# Altium PCB mainboard.PcbDoc (part 7 of 7)
Units mm, origin at the board's own origin, x right, y up, seen from the top; angles counter-clockwise.
Board outline 298.75 x 332.5 mm, 4 copper layers (Top, Ground, Power, Bottom), stack 0.844 mm thick; 349 components, 403 nets, 3466 pads, 640 vias.
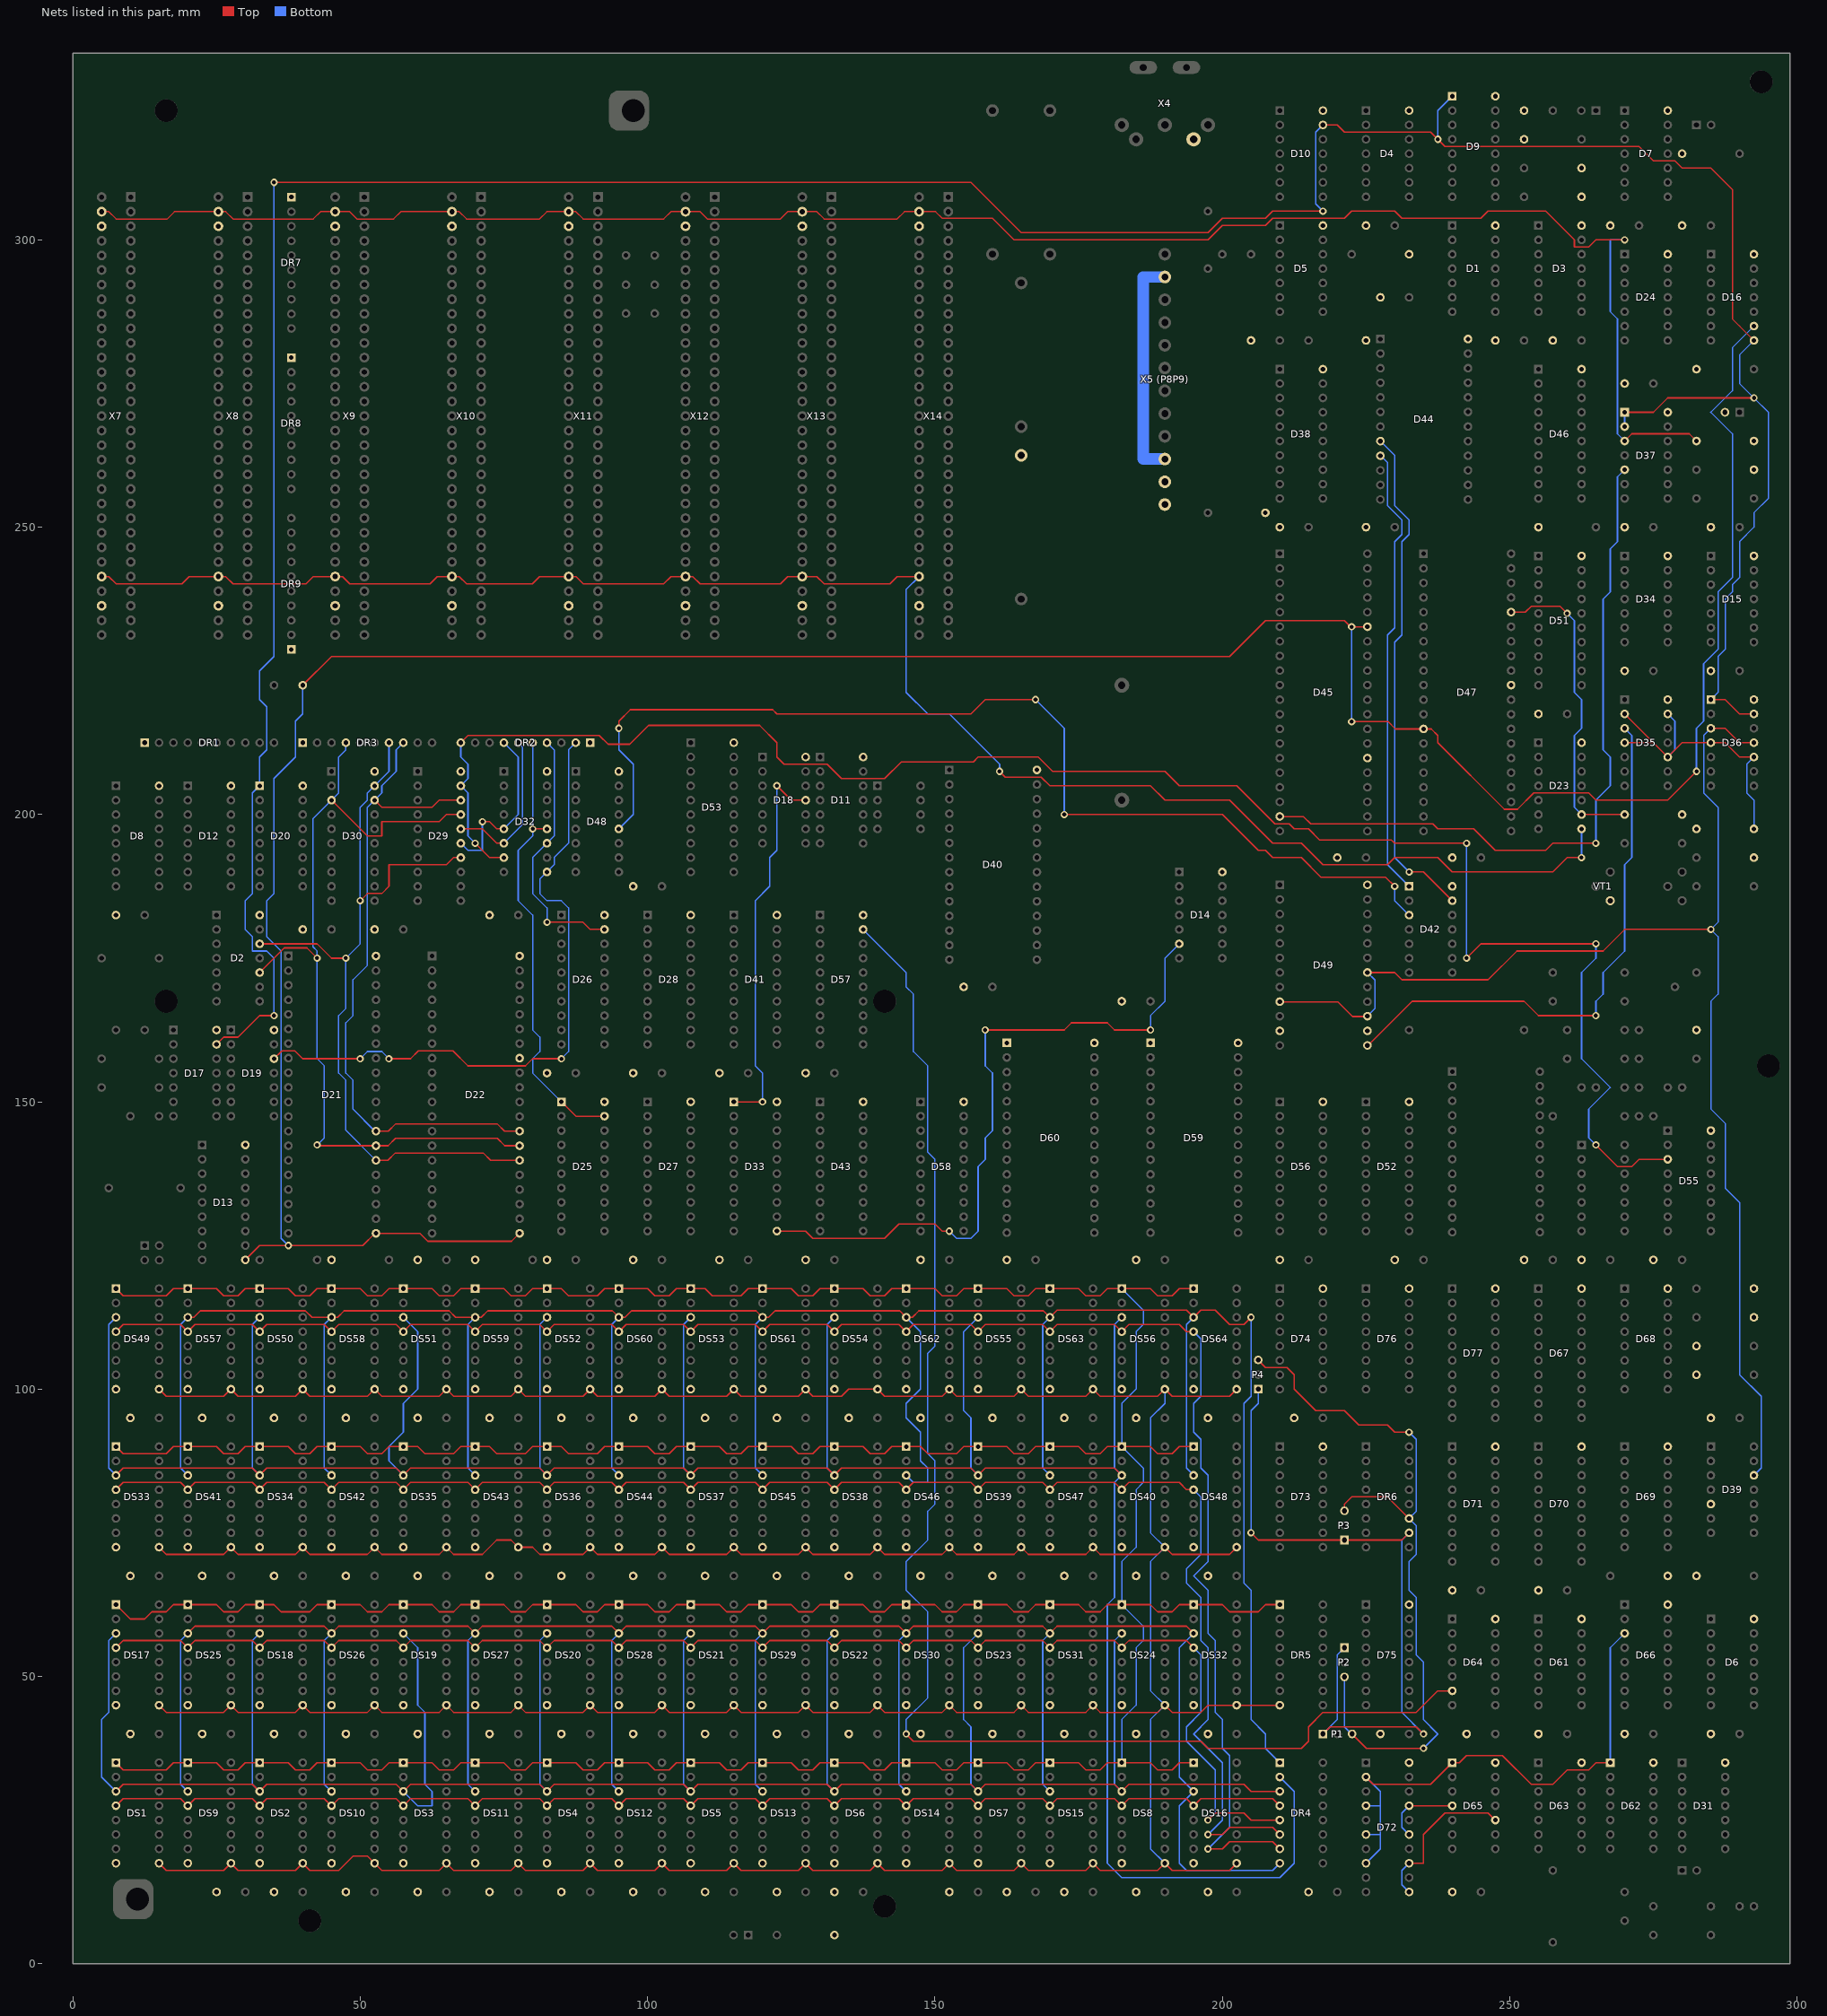
[diagram p9: the nets of this part, all layers, seen from the top]

## Via types
v1: diameter 1.27, hole 0.711, Top to Bottom, tented both sides, 640 vias

## Nets (pads, with @x,y where several pads share a name; then routed paths per layer and width w, separated by ;. In a path a pad name is that pad's centre, name@x,y a point inside that pad or via, vN(x,y) a via of type N, cw(c..) or ccw(c..) an arc to the next point about the centre after c; other vN are vias at no path point) (continued)
RA7: DR5.8 DS1.9 DS2.9 DS3.9 DS4.9 DS5.9 DS6.9 DS7.9 DS8.9 DS9.9 DS10.9 DS11.9 DS12.9 DS13.9 DS14.9 DS15.9 DS16.9 DS17.9 DS18.9 DS19.9 DS20.9 DS21.9 DS22.9 DS23.9 DS24.9 DS25.9 DS26.9 DS27.9 DS28.9 DS29.9 DS30.9 DS31.9 DS32.9 DS33.9 DS34.9 DS35.9 DS36.9 DS37.9 DS38.9 DS39.9 DS40.9 DS41.9 DS42.9 DS43.9 DS44.9 DS45.9 DS46.9 DS47.9 DS48.9 DS49.9 DS50.9 DS51.9 DS52.9 DS53.9 DS54.9 DS55.9 DS56.9 DS57.9 DS58.9 DS59.9 DS60.9 DS61.9 DS62.9 DS63.9 DS64.9 | length 910.4
  Top w0.254: DS1.9@14.998,17.5 16.248,16.25 26.248,16.25 DS9.9@27.498,17.5 28.748,16.25 38.748,16.25 DS2.9@39.998,17.5 41.248,16.25 46.248,16.25 48.748,18.75 51.248,18.75 DS10.9@52.498,17.5 53.748,16.25 63.748,16.25 DS3.9@64.998,17.5 66.248,16.25 76.248,16.25 DS11.9@77.498,17.5 78.748,16.25 88.748,16.25 DS4.9@89.998,17.5 91.248,16.25 101.248,16.25 DS12.9@102.498,17.5 103.748,16.25 113.748,16.25 DS5.9@114.998,17.5 116.248,16.25 126.248,16.25 DS13.9@127.498,17.5 128.748,16.25 138.748,16.25 DS6.9@139.998,17.5 141.248,16.25 151.248,16.25 DS14.9@152.498,17.5 153.748,16.25 163.748,16.25 DS7.9@164.998,17.5 166.248,16.25 176.248,16.25 DS15.9@177.498,17.5 178.748,16.25 188.748,16.25 DS8.9@189.998,17.5 191.248,16.25 201.248,16.25 DS16.9@202.498,17.5 ; DS17.9@14.998,45 16.248,43.75 26.248,43.75 DS25.9@27.498,45 28.748,43.75 38.748,43.75 DS18.9@39.998,45 41.248,43.75 51.248,43.75 DS26.9@52.498,45 53.748,43.75 63.748,43.75 DS19.9@64.998,45 66.248,43.75 76.248,43.75 DS27.9@77.498,45 78.748,43.75 88.748,43.75 DS20.9@89.998,45 91.248,43.75 101.248,43.75 DS28.9@102.498,45 103.748,43.75 113.748,43.75 DS21.9@114.998,45 116.248,43.75 126.248,43.75 DS29.9@127.498,45 128.748,43.75 138.748,43.75 DS22.9@139.998,45 141.248,43.75 151.248,43.75 DS30.9@152.498,45 153.748,43.75 163.748,43.75 DS23.9@164.998,45 166.248,43.75 176.248,43.75 DS31.9@177.498,45 178.748,43.75 188.748,43.75 DS24.9@189.998,45 191.248,43.75 196.248,43.75 197.498,45 DS32.9@202.498,45 DR5.8@209.998,45 ; DS33.9@14.998,72.5 16.248,71.25 26.248,71.25 DS41.9@27.498,72.5 28.748,71.25 38.748,71.25 DS34.9@39.998,72.5 41.248,71.25 51.248,71.25 DS42.9@52.498,72.5 53.748,71.25 63.748,71.25 DS35.9@64.998,72.5 66.248,71.25 71.248,71.25 73.748,73.75 76.248,73.75 DS43.9@77.498,72.5 79.998,72.5 81.248,71.25 88.748,71.25 DS36.9@89.998,72.5 91.248,71.25 101.248,71.25 DS44.9@102.498,72.5 103.748,71.25 113.748,71.25 DS37.9@114.998,72.5 116.248,71.25 126.248,71.25 DS45.9@127.498,72.5 128.748,71.25 138.748,71.25 DS38.9@139.998,72.5 141.248,71.25 151.248,71.25 DS46.9@152.498,72.5 153.748,71.25 163.748,71.25 DS39.9@164.998,72.5 166.248,71.25 176.248,71.25 DS47.9@177.498,72.5 178.748,71.25 188.748,71.25 DS40.9@189.998,72.5 191.248,71.25 201.248,71.25 DS48.9@202.498,72.5 ; DS49.9@14.998,100 16.248,98.75 26.248,98.75 DS57.9@27.498,100 28.748,98.75 38.748,98.75 DS50.9@39.998,100 41.248,98.75 51.248,98.75 DS58.9@52.498,100 53.748,98.75 63.748,98.75 DS51.9@64.998,100 66.248,98.75 76.248,98.75 DS59.9@77.498,100 78.748,98.75 88.748,98.75 DS52.9@89.998,100 91.248,98.75 101.248,98.75 DS60.9@102.498,100 103.748,98.75 113.748,98.75 DS53.9@114.998,100 116.248,98.75 126.248,98.75 DS61.9@127.498,100 128.748,98.75 133.748,98.75 134.998,100 DS54.9@139.998,100 141.248,98.75 151.248,98.75 DS62.9@152.498,100 153.748,98.75 163.748,98.75 DS55.9@164.998,100 166.248,98.75 176.248,98.75 DS63.9@177.498,100 178.748,98.75 188.748,98.75 DS56.9@189.998,100 191.248,98.75 201.248,98.75 DS64.9@202.498,100
  Bottom w0.254: DS8.9@189.998,17.5 187.498,20 187.498,42.5 DS24.9@189.998,45 187.498,47.5 187.498,70 DS40.9@189.998,72.5 187.498,75 187.498,95 189.998,97.5 DS56.9@189.998,100
RA8: DR5.1 DS1.1 DS2.1 DS3.1 DS4.1 DS5.1 DS6.1 DS7.1 DS8.1 DS9.1 DS10.1 DS11.1 DS12.1 DS13.1 DS14.1 DS15.1 DS16.1 DS17.1 DS18.1 DS19.1 DS20.1 DS21.1 DS22.1 DS23.1 DS24.1 DS25.1 DS26.1 DS27.1 DS28.1 DS29.1 DS30.1 DS31.1 DS32.1 DS33.1 DS34.1 DS35.1 DS36.1 DS37.1 DS38.1 DS39.1 DS40.1 DS41.1 DS42.1 DS43.1 DS44.1 DS45.1 DS46.1 DS47.1 DS48.1 DS49.1 DS50.1 DS51.1 DS52.1 DS53.1 DS54.1 DS55.1 DS56.1 DS57.1 DS58.1 DS59.1 DS60.1 DS61.1 DS62.1 DS63.1 DS64.1 | length 921
  Top w0.254: DS1.1@7.498,35 8.748,33.75 16.248,33.75 17.498,35 24.998,35 26.248,33.75 28.748,33.75 29.998,35 37.498,35 38.748,33.75 41.248,33.75 42.498,35 49.998,35 51.248,33.75 53.748,33.75 54.998,35 62.498,35 63.748,33.75 66.248,33.75 67.498,35 74.998,35 76.248,33.75 78.748,33.75 79.998,35 87.498,35 88.748,33.75 91.248,33.75 92.498,35 99.998,35 101.248,33.75 103.748,33.75 104.998,35 112.498,35 113.748,33.75 116.248,33.75 117.498,35 124.998,35 126.248,33.75 128.748,33.75 129.998,35 137.498,35 138.748,33.75 141.248,33.75 142.498,35 149.998,35 151.248,33.75 153.748,33.75 154.998,35 162.498,35 163.748,33.75 166.248,33.75 167.498,35 174.998,35 176.248,33.75 178.748,33.75 179.998,35 187.498,35 188.748,33.75 191.248,33.75 192.498,35 DS16.1@194.998,35 ; DS17.1@7.498,62.5 9.998,60 12.498,60 13.748,61.25 16.248,61.25 17.498,62.5 DS25.1@19.998,62.5 24.998,62.5 26.248,61.25 28.748,61.25 29.998,62.5 DS18.1@32.498,62.5 34.998,62.5 36.248,61.25 41.248,61.25 42.498,62.5 DS26.1@44.998,62.5 49.998,62.5 51.248,61.25 53.748,61.25 54.998,62.5 DS19.1@57.498,62.5 62.498,62.5 63.748,61.25 66.248,61.25 67.498,62.5 DS27.1@69.998,62.5 74.998,62.5 76.248,61.25 78.748,61.25 79.998,62.5 DS20.1@82.498,62.5 87.498,62.5 88.748,61.25 91.248,61.25 92.498,62.5 DS28.1@94.998,62.5 99.998,62.5 101.248,61.25 103.748,61.25 104.998,62.5 DS21.1@107.498,62.5 112.498,62.5 113.748,61.25 116.248,61.25 117.498,62.5 DS29.1@119.998,62.5 124.998,62.5 126.248,61.25 128.748,61.25 129.998,62.5 DS22.1@132.498,62.5 137.498,62.5 138.748,61.25 141.248,61.25 142.498,62.5 DS30.1@144.998,62.5 149.998,62.5 151.248,61.25 153.748,61.25 154.998,62.5 DS23.1@157.498,62.5 162.498,62.5 163.748,61.25 166.248,61.25 167.498,62.5 DS31.1@169.998,62.5 174.998,62.5 176.248,61.25 178.748,61.25 179.998,62.5 DS24.1@182.498,62.5 187.498,62.5 188.748,61.25 191.248,61.25 192.498,62.5 DS32.1@194.998,62.5 199.998,62.5 201.248,61.25 206.248,61.25 207.498,62.5 DR5.1@209.998,62.5 ; DS33.1@7.498,90 8.748,88.75 16.248,88.75 17.498,90 DS41.1@19.998,90 24.998,90 26.248,88.75 28.748,88.75 29.998,90 DS34.1@32.498,90 37.498,90 38.748,88.75 41.248,88.75 42.498,90 DS42.1@44.998,90 49.998,90 51.248,88.75 53.748,88.75 54.998,90 DS35.1@57.498,90 59.998,90 61.248,88.75 66.248,88.75 67.498,90 DS43.1@69.998,90 72.498,90 73.748,88.75 78.748,88.75 79.998,90 DS36.1@82.498,90 84.998,90 86.248,88.75 91.248,88.75 92.498,90 DS44.1@94.998,90 99.998,90 101.248,88.75 103.748,88.75 104.998,90 DS37.1@107.498,90 112.498,90 113.748,88.75 116.248,88.75 117.498,90 DS45.1@119.998,90 124.998,90 126.248,88.75 128.748,88.75 129.998,90 DS38.1@132.498,90 137.498,90 138.748,88.75 141.248,88.75 142.498,90 DS46.1@144.998,90 147.498,90 148.748,88.75 153.748,88.75 154.998,90 DS39.1@157.498,90 162.498,90 163.748,88.75 166.248,88.75 167.498,90 DS47.1@169.998,90 174.998,90 176.248,88.75 178.748,88.75 179.998,90 DS40.1@182.498,90 187.498,90 188.748,88.75 191.248,88.75 192.498,90 DS48.1@194.998,90 ; DS49.1@7.498,117.5 8.748,116.25 16.248,116.25 17.498,117.5 DS57.1@19.998,117.5 24.998,117.5 26.248,116.25 28.748,116.25 29.998,117.5 37.498,117.5 38.748,116.25 41.248,116.25 42.498,117.5 DS58.1@44.998,117.5 49.998,117.5 51.248,116.25 53.748,116.25 54.998,117.5 DS51.1@57.498,117.5 62.498,117.5 63.748,116.25 66.248,116.25 67.498,117.5 DS59.1@69.998,117.5 74.998,117.5 76.248,116.25 78.748,116.25 79.998,117.5 DS52.1@82.498,117.5 84.998,117.5 86.248,116.25 91.248,116.25 92.498,117.5 DS60.1@94.998,117.5 99.998,117.5 101.248,116.25 103.748,116.25 104.998,117.5 DS53.1@107.498,117.5 109.998,117.5 111.248,116.25 116.248,116.25 117.498,117.5 124.998,117.5 126.248,116.25 128.748,116.25 129.998,117.5 DS54.1@132.498,117.5 137.498,117.5 138.748,116.25 141.248,116.25 142.498,117.5 DS62.1@144.998,117.5 149.998,117.5 151.248,116.25 153.748,116.25 154.998,117.5 DS55.1@157.498,117.5 162.498,117.5 163.748,116.25 166.248,116.25 167.498,117.5 DS63.1@169.998,117.5 174.998,117.5 176.248,116.25 178.748,116.25 179.998,117.5 DS56.1@182.498,117.5 187.498,117.5 188.748,116.25 191.248,116.25 192.498,117.5 DS64.1@194.998,117.5
  Bottom w0.254: DS8.1@182.498,35 182.498,42.5 184.998,45 184.998,55 186.248,56.25 186.248,58.75 DS24.1@182.498,62.5 182.498,70 184.998,72.5 184.998,82.5 186.248,83.75 186.248,86.25 DS40.1@182.498,90 182.498,97.5 184.998,100 184.998,110 186.248,111.25 186.248,113.75 DS56.1@182.498,117.5
RA60: DR6.10 P1.1 P2.1 P3.1 P4.1 | length 126.2
  Top w0.254: v1(204.998,75) 206.248,73.75 P3.1@221.25,73.75 ; P1.1@217.498,40 218.748,41.25 233.748,41.25 v1(234.998,40) ; DR6.10@232.498,75 231.248,73.75 P3.1@221.25,73.75 ; P3.1@221.25,73.75 221.248,73.752 P3.1@221.25,73.75
  Bottom w0.254: v1(204.998,75) 204.998,96.25 206.248,97.5 P4.1@206.248,100 ; P1.1@217.498,40 219.998,42.5 219.998,53.75 P2.1@221.248,55 ; DR6.10@232.498,75 231.248,73.75 231.248,43.75 v1(234.998,40)
RA61: DR6.11 P1.3 P2.3 P3.3 P4.3 | length 131.5
  Top w0.254: P4.3@206.248,105 207.498,103.75 211.248,103.75 212.498,102.5 212.498,100 216.248,96.25 221.248,96.25 223.748,93.75 228.748,93.75 229.998,92.5 v1(232.498,92.5) ; P3.3@221.25,78.75 221.25,80.002 222.498,81.25 228.748,81.25 DR6.11@232.498,77.5 ; P1.3@222.578,40 225.078,37.5 v1(234.998,37.5)
  Bottom w0.254: P2.3@221.248,49.92 221.248,41.25 P1.3@222.498,40 ; v1(232.498,92.5) 233.748,91.25 233.748,78.75 DR6.11@232.498,77.5 233.748,76.25 233.748,71.25 232.498,70 232.498,65 233.748,63.75 233.748,53.75 234.998,52.5 234.998,42.5 237.498,40 v1(234.998,37.5)
RAS: D62.1 D65.1 D66.3 D72.2 D72.4 D72.6 D72.8 | length 94.3
  Top w0.254: D72.2@224.998,32.5 226.248,31.25 236.248,31.25 D65.1@239.998,35 241.25,35 242.5,36.25 248.75,36.25 253.75,31.25 257.5,31.25 260,33.75 263.75,33.75 265,35 D62.1@267.498,35
  Bottom w0.254: D72.8@224.998,17.5 227.498,20 227.498,22.5 ; D72.6@224.998,22.5 227.498,22.5 ; D72.4@224.998,27.5 227.498,27.5 ; D72.2@224.998,32.5 227.498,30 227.498,27.5 ; D62.1@267.5,35.002 267.5,55 D66.3@269.998,57.5 D66.3@269.998,57.5 ; 227.498,22.5 227.498,27.5
RAS0/: DR4.4 DS1.4 DS2.4 DS3.4 DS4.4 DS5.4 DS6.4 DS7.4 DS8.4 DS9.4 DS10.4 DS11.4 DS12.4 DS13.4 DS14.4 DS15.4 DS16.4 | length 219.1
  Top w0.254: DS1.4@7.498,27.5 8.748,28.75 18.748,28.75 DS9.4@19.998,27.5 21.248,28.75 31.248,28.75 DS2.4@32.498,27.5 33.748,28.75 43.748,28.75 DS10.4@44.998,27.5 46.248,28.75 56.248,28.75 DS3.4@57.498,27.5 58.748,28.75 68.748,28.75 DS11.4@69.998,27.5 71.248,28.75 81.248,28.75 DS4.4@82.498,27.5 83.748,28.75 93.748,28.75 DS12.4@94.998,27.5 96.248,28.75 106.248,28.75 DS5.4@107.498,27.5 108.748,28.75 118.748,28.75 DS13.4@119.998,27.5 121.248,28.75 131.248,28.75 DS6.4@132.498,27.5 133.748,28.75 143.748,28.75 DS14.4@144.998,27.5 146.248,28.75 156.248,28.75 DS7.4@157.498,27.5 158.748,28.75 168.748,28.75 DS15.4@169.998,27.5 171.248,28.75 181.248,28.75 DS8.4@182.498,27.5 183.748,28.75 193.748,28.75 DS16.4@194.998,27.5 196.248,28.75 208.748,28.75 DR4.4@209.998,27.5
RAS1/: DR4.5 DS17.4 DS18.4 DS19.4 DS20.4 DS21.4 DS22.4 DS23.4 DS24.4 DS25.4 DS26.4 DS27.4 DS28.4 DS29.4 DS30.4 DS31.4 DS32.4 | length 250.7
  Top w0.254: DS17.4@7.498,55 8.748,56.25 18.748,56.25 DS25.4@19.998,55 21.248,56.25 31.248,56.25 DS18.4@32.498,55 33.748,56.25 43.748,56.25 DS26.4@44.998,55 46.248,56.25 56.248,56.25 DS19.4@57.498,55 58.748,56.25 68.748,56.25 DS27.4@69.998,55 71.248,56.25 81.248,56.25 DS20.4@82.498,55 83.748,56.25 93.748,56.25 DS28.4@94.998,55 96.248,56.25 106.248,56.25 DS21.4@107.498,55 108.748,56.25 118.748,56.25 DS29.4@119.998,55 121.248,56.25 131.248,56.25 DS22.4@132.498,55 133.748,56.25 143.748,56.25 DS30.4@144.998,55 146.248,56.25 156.248,56.25 DS23.4@157.498,55 158.748,56.25 168.748,56.25 DS31.4@169.998,55 171.248,56.25 181.248,56.25 DS24.4@182.498,55 183.748,56.25 193.748,56.25 DS32.4@194.998,55 ; v1(197.498,25) 198.748,26.25 203.748,26.25 204.998,25 DR4.5@209.998,25
  Bottom w0.254: DS32.4@194.998,55 196.248,53.75 196.248,43.75 193.748,41.25 193.748,38.75 198.748,33.75 198.748,26.25 v1(197.498,25)
RAS2/: DR4.6 DS33.4 DS34.4 DS35.4 DS36.4 DS37.4 DS38.4 DS39.4 DS40.4 DS41.4 DS42.4 DS43.4 DS44.4 DS45.4 DS46.4 DS47.4 DS48.4 | length 283.8
  Top w0.254: DS33.4@7.498,82.5 8.748,83.75 18.748,83.75 DS41.4@19.998,82.5 21.248,83.75 31.248,83.75 DS34.4@32.498,82.5 33.748,83.75 43.748,83.75 DS42.4@44.998,82.5 46.248,83.75 56.248,83.75 DS35.4@57.498,82.5 58.748,83.75 68.748,83.75 DS43.4@69.998,82.5 71.248,83.75 81.248,83.75 DS36.4@82.498,82.5 83.748,83.75 93.748,83.75 DS44.4@94.998,82.5 96.248,83.75 106.248,83.75 DS37.4@107.498,82.5 108.748,83.75 118.748,83.75 DS45.4@119.998,82.5 121.248,83.75 131.248,83.75 DS38.4@132.498,82.5 133.748,83.75 143.748,83.75 DS46.4@144.998,82.5 146.248,83.75 156.248,83.75 DS39.4@157.498,82.5 158.748,83.75 168.748,83.75 DS47.4@169.998,82.5 171.248,83.75 181.248,83.75 DS40.4@182.498,82.5 183.748,83.75 192.498,83.75 193.748,82.5 DS48.4@194.998,82.5 ; v1(197.498,22.5) 199.998,22.5 201.248,23.75 208.748,23.75 DR4.6@209.998,22.5
  Bottom w0.254: DS48.4@194.998,82.5 196.248,81.25 196.248,71.25 193.748,68.75 193.748,66.25 196.248,63.75 196.248,56.25 197.498,55 197.498,42.5 194.998,40 199.998,35 199.998,25 v1(197.498,22.5)
RAS3/: DR4.7 DS49.4 DS50.4 DS51.4 DS52.4 DS53.4 DS54.4 DS55.4 DS56.4 DS57.4 DS58.4 DS59.4 DS60.4 DS61.4 DS62.4 DS63.4 DS64.4 | length 313.8
  Top w0.254: DS49.4@7.498,110 8.748,111.25 18.748,111.25 DS57.4@19.998,110 21.248,111.25 31.248,111.25 DS50.4@32.498,110 33.748,111.25 43.748,111.25 DS58.4@44.998,110 46.248,111.25 56.248,111.25 DS51.4@57.498,110 58.748,111.25 68.748,111.25 DS59.4@69.998,110 71.248,111.25 81.248,111.25 DS52.4@82.498,110 83.748,111.25 93.748,111.25 DS60.4@94.998,110 96.248,111.25 106.248,111.25 DS53.4@107.498,110 108.748,111.25 118.748,111.25 DS61.4@119.998,110 121.248,111.25 131.248,111.25 DS54.4@132.498,110 133.748,111.25 143.748,111.25 DS62.4@144.998,110 146.248,111.25 156.248,111.25 DS55.4@157.498,110 158.748,111.25 168.748,111.25 DS63.4@169.998,110 171.248,111.25 181.248,111.25 DS56.4@182.498,110 183.748,111.25 192.498,111.25 193.748,110 DS64.4@194.998,110 ; v1(197.498,20) 199.998,20 201.248,21.25 208.748,21.25 DR4.7@209.998,20
  Bottom w0.254: DS64.4@194.998,110 196.248,108.75 196.248,98.75 194.998,97.5 194.998,92.5 196.248,91.25 196.248,86.25 197.498,85 197.498,70 194.998,67.5 197.498,65 197.498,57.5 198.748,56.25 198.748,43.75 199.998,42.5 199.998,37.5 201.248,36.25 201.248,23.75 v1(197.498,20)
REFR: D35.3 D49.13 | length 97.4
  Top w0.254: D49.13@224.998,160 225.232,159.766 225.298,159.766 233.032,167.5 252.498,167.5 254.998,165 v1(264.998,165)
  Bottom w0.254: v1(264.998,165) 264.998,167.5 266.248,168.75 266.248,172.5 269.998,176.25 269.998,191.25 271.248,192.5 271.248,213.75 D35.3@269.998,215
RES/: D9.1 D10.13 D16.8 D17.13 D20.1 D36.1 D36.13 D37.1 D37.2 | length 584
  Top w0.254: D17.13@24.998,160 26.248,161.25 28.748,161.25 32.498,165 v1(34.998,165) ; v1(35,310) 156.248,310 164.998,301.25 197.498,301.25 199.998,303.75 207.498,303.75 208.748,305 v1(217.498,305) ; D10.13@217.498,320 219.998,320 221.248,318.75 236.248,318.75 v1(237.498,317.5) 238.748,316.25 272.5,316.25 275,313.75 278.75,313.75 280,312.5 285,312.5 288.75,308.75 288.75,286.25 290,285 290,284.998 D16.8@292.498,282.5 ; D37.1@269.998,270 274.998,270 277.498,272.5 v1(292.498,272.5) ; D36.1@284.998,220 287.498,220 289.998,217.5 D36.13@292.498,217.5
  Bottom w0.254: v1(34.998,165) 34.998,175 33.748,176.25 31.248,176.25 31.248,178.75 29.998,180 29.998,185 31.248,186.25 31.248,203.75 D20.1@32.498,205 32.498,210 33.748,211.25 33.748,218.75 32.498,220 32.498,225 35,227.502 v1(35,310) ; v1(217.498,305) 216.248,306.25 216.248,318.75 D10.13@217.498,320 ; v1(237.498,317.5) 237.498,322.5 D9.1@239.998,325 ; D37.2@269.998,267.5 D37.1@269.998,270 ; D36.1@284.998,220 286.248,221.25 286.248,227.5 287.498,228.75 287.498,237.5 288.748,238.75 288.748,240 289.998,241.25 289.998,247.5 292.498,250 292.498,252.5 294.998,255 294.998,270 v1(292.498,272.5) 289.998,275 289.998,280 D16.8@292.498,282.5
RESET: C134.1 D13.10 D16.9 D21.21 D22.21 D45.35 D47.13 | length 515
  Top w0.254: D13.10@29.998,122.5 32.498,125 50.451,125 52.578,127.127 60.371,127.127 61.768,125.73 76.327,125.73 77.498,126.901 D22.21@77.498,127.5 ; C134.1@39.998,222.5 44.998,227.5 201.248,227.5 207.498,233.75 221.25,233.75 222.336,232.664 224.834,232.664 D45.35@224.998,232.5 ; v1(222.504,216.154) 228.846,216.154 230.116,214.884 236.366,214.884 237.5,213.75 237.5,212.5 249.086,200.914 251.333,200.914 254.169,203.75 263.748,203.75 264.998,202.5 277.498,202.5 v1(282.498,207.5)
  Bottom w0.254: v1(37.498,125) 36.248,126.25 36.248,176.25 33.748,178.75 33.748,185 34.998,186.25 34.998,206.25 38.748,210 38.748,216.25 39.998,217.5 C134.1@39.998,222.5 ; v1(222.504,216.154) v1(222.504,232.664) ; v1(282.498,207.5) 282.498,215 283.748,216.25 283.748,226.25 286.248,228.75 286.248,238.75 288.748,241.25 288.748,266.25 284.998,270 288.748,273.75 288.748,281.25 D16.9@292.498,285
"RESET DRV": D37.3 R17.1 X7.33 X8.33 X9.33 X10.33 X11.33 X12.33 X13.33 X14.33 | length 333.4
  Top w0.254: X7.33@4.998,304.91 6.261,304.91 7.535,303.635 16.425,303.635 17.7,304.91 X8.33@25.318,304.91 26.581,304.91 27.855,303.635 41.825,303.635 43.1,304.91 X9.33@45.638,304.91 45.643,304.905 48.175,304.905 49.445,303.635 55.795,303.635 57.07,304.91 X10.33@65.958,304.91 65.963,304.905 67.225,304.905 68.495,303.635 81.195,303.635 82.47,304.91 X11.33@86.278,304.91 87.541,304.91 88.815,303.635 102.785,303.635 104.055,304.905 109.135,304.905 110.405,303.635 123.105,303.635 124.375,304.905 129.455,304.905 130.725,303.635 143.425,303.635 144.7,304.91 X14.33@147.238,304.91 147.243,304.905 150.095,304.905 151.25,303.75 159.998,303.75 163.748,300 197.498,300 199.998,302.5 207.498,302.5 208.748,303.75 221.248,303.75 222.498,305 229.998,305 231.248,303.75 245,303.75 246.25,305 256.25,305 261.248,300.002 261.248,298.75 263.748,298.75 264.998,300 v1(269.998,300) ; D37.3@269.998,265 271.248,266.25 281.248,266.25 R17.1@282.498,265
  Bottom w0.254: D37.3@269.998,265 268.748,266.25 268.748,286.25 267.498,287.5 267.498,300 v1(269.998,300)
RGEN/: D18.11 D33.1 | length 68.1
  Top w0.254: D33.1@114.998,150 v1(120,150) ; v1(122.5,205) 125,202.5 D18.11@127.498,202.5
  Bottom w0.254: v1(120,150) 120,155 118.75,156.25 118.75,185 121.25,187.5 121.25,192.5 122.5,193.75 v1(122.5,205)
RGLSTB: D14.6 D33.11 | length 121.5
  Top w0.254: D33.11@122.498,127.5 127.5,127.5 128.75,126.25 141.25,126.25 143.75,128.75 150,128.75 151.25,127.5 v1(152.5,127.5) ; v1(158.748,162.5) 172.498,162.5 173.748,163.75 179.998,163.75 181.248,162.5 v1(187.498,162.5)
  Bottom w0.254: v1(152.5,127.5) 153.75,126.25 156.25,126.25 157.5,127.5 157.5,138.75 158.75,140 158.75,143.75 160,145 160,155 158.748,156.252 v1(158.748,162.5) ; v1(187.498,162.5) 187.498,165 189.998,167.5 189.998,175 D14.6@192.498,177.5
RR14: D35.2 D35.4 D35.10 D35.13 D36.4 D36.10 R14.2 | length 54.7
  Top w0.254: D35.4@269.998,212.5 274.998,212.5 ; D35.2@269.998,217.5 274.998,212.5 ; D36.10@292.498,210 289.998,210 287.498,212.5 D36.4@284.998,212.5 279.998,212.5 D35.10@277.498,210 274.998,212.5
  Bottom w0.254: D35.10@277.498,210 278.748,211.25 278.748,216.25 D35.13@277.498,217.5 ; R14.2@292.498,197.5 292.498,202.5 291.248,203.75 291.248,208.75 D36.10@292.498,210
RS0/: D29.15 D32.5 DR2.7 | length 30.6
  Top w0.254: v1(71.248,198.75) 72.498,198.75 73.748,197.5 D32.5@74.998,197.5
  Bottom w0.254: D29.15@67.498,195 68.748,193.75 71.248,193.75 v1(71.248,198.75) ; D32.5@74.998,197.5 77.498,200 77.498,210 DR2.7@74.998,212.5
RS1/: D29.16 D32.6 DR2.6 | length 27.7
  Top w0.254: D29.16@67.498,197.5 71.248,197.5 73.748,195 D32.6@74.998,195
  Bottom w0.254: D32.6@74.998,195 78.24,198.242 78.24,211.758 DR2.6@77.498,212.5
RS2/: D29.19 D32.7 D55.3 DR2.10 | length 314.5
  Top w0.254: DR2.10@67.498,212.5 68.75,213.75 91.595,213.75 93.119,212.226 96.881,212.226 100.163,215.508 119.492,215.508 122.5,212.5 122.5,210 123.75,208.75 131.25,208.75 133.75,206.25 141.25,206.25 144.169,209.169 156.669,209.169 157.5,210 167.952,210 170.452,207.5 190,207.5 192.5,205 202.5,205 209.126,198.374 211.626,198.374 212.5,197.5 215,197.5 216.92,195.58 229.42,195.58 230,195 v1(242.5,195) ; v1(69.998,195) 72.498,192.5 D32.7@74.998,192.5 ; v1(242.5,175) 245,177.5 v1(265,177.5) ; v1(265,142.5) 268.75,138.75 271.25,138.75 272.5,140 D55.3@277.498,140
  Bottom w0.254: DR2.10@67.498,212.5 67.498,210 68.748,208.75 68.748,206.25 D29.19@67.498,205 68.748,203.75 68.748,196.25 v1(69.998,195) ; v1(242.5,175) v1(242.5,195) ; v1(265,142.5) 263.75,143.75 263.75,148.75 267.5,152.5 262.5,157.5 262.5,172.5 265,175 v1(265,177.5)
RTCS/: D42.13 D44.8 | length 88.7
  Top w0.254: v1(232.5,190) 235,190 D42.13@239.998,185.002
  Bottom w0.254: D44.8@227.498,265 229.998,262.5 229.998,253.752 232.5,251.25 232.5,248.75 231.25,247.5 231.25,231.25 230,230 230,192.5 v1(232.5,190)
S0/: D2.12 D21.26 D22.26 D29.14 D30.19 DR3.7 | length 143.7
  Top w0.254: D2.12@32.498,177.5 42.5,177.5 45,175 v1(47.498,175) ; v1(49.998,185) 50,185 51.25,186.25 53.75,186.25 55,187.5 55,191.25 65,191.25 66.25,192.5 D29.14@67.498,192.5 ; D21.26@52.498,140 52.671,139.827 54.825,139.827 56.095,141.097 71.401,141.097 72.671,139.827 77.325,139.827 D22.26@77.498,140
  Bottom w0.254: D21.26@52.498,140 52.498,140.034 47.498,145.034 47.498,153.75 46.248,155 46.248,165 47.498,166.25 v1(47.498,175) 49.998,177.5 v1(49.998,185) 49.998,201.25 51.248,202.5 51.248,203.75 D30.19@52.498,205 54.998,207.5 DR3.7@54.998,212.5
S1/: D2.10 D21.27 D22.27 D29.17 D30.3 DR3.4 | length 150.5
  Top w0.254: D2.10@32.498,172.5 32.5,172.5 36.784,176.784 40.716,176.784 v1(42.5,175) ; v1(42.5,142.5) 42.633,142.367 54.865,142.367 56.135,143.637 73.861,143.637 75.131,142.367 77.365,142.367 D22.27@77.498,142.5 ; D30.3@44.998,202.5 51.248,196.25 53.75,196.25 53.75,198.75 63.75,198.75 65,200 D29.17@67.498,200
  Bottom w0.254: v1(42.5,142.5) 43.75,143.75 43.75,156.25 42.5,157.5 v1(42.5,175) 42.5,176.25 41.756,176.994 41.756,199.258 D30.3@44.998,202.5 46.248,203.75 46.248,210 47.498,211.25 DR3.4@47.498,212.5
S2/: D21.28 D22.28 D29.18 D30.18 DR3.8 | length 115.9
  Top w0.254: D21.28@52.498,145 52.591,144.907 54.905,144.907 56.175,146.177 73.821,146.177 75.091,144.907 77.405,144.907 D22.28@77.498,145 ; D30.18@52.498,202.5 52.5,202.5 53.75,201.25 62.5,201.25 63.75,202.5 D29.18@67.498,202.5
  Bottom w0.254: D21.28@52.498,145 52.485,145 48.748,148.737 48.748,153.75 47.498,155 47.498,163.75 48.748,165 48.748,171.25 51.248,173.75 51.248,201.25 D30.18@52.498,202.5 53.749,203.751 53.749,204.999 56.248,207.498 56.248,211.25 DR3.8@57.498,212.5
SEGS/: D42.1 D44.9 | length 79.1
  Bottom w0.254: D44.9@227.498,262.5 228.748,261.25 228.75,261.25 228.75,253.75 231.25,251.25 231.25,248.75 230,247.5 230,232.5 228.75,231.25 228.75,191.248 D42.1@232.498,187.5
SEGW/: D42.3 D48.12 | length 186.3
  Top w0.254: v1(94.998,215) 94.998,216.25 96.99,218.242 121.756,218.242 122.498,217.5 156.248,217.5 158.748,220 v1(167.498,220) ; v1(172.498,200) 200,200 206.25,193.75 207.5,193.75 208.75,192.5 213.75,192.5 217.147,189.103 228.397,189.103 v1(230,187.5)
  Bottom w0.254: D48.12@94.998,197.5 97.498,200 97.498,208.75 94.998,211.25 v1(94.998,215) ; v1(167.498,220) 172.498,215 v1(172.498,200) ; v1(230,187.5) 230,184.998 D42.3@232.498,182.5
SELH/: D26.19 D32.11 DR2.4 | length 44.9
  Top w0.254: v1(82.498,181.25) 88.75,181.25 90,180 D26.19@92.498,180
  Bottom w0.254: v1(82.498,181.25) 82.498,183.75 79.998,186.25 79.998,192.5 D32.11@82.498,195 83.748,196.25 83.748,211.25 DR2.4@82.498,212.5
SELL/: D25.1 D25.19 D32.12 DR2.5 | length 78.7
  Top w0.254: v1(79.998,197.5) D32.12@82.498,197.5 ; D25.1@84.998,150 85,150 87.5,147.5 D25.19@92.498,147.5
  Bottom w0.254: DR2.5@79.998,212.5 v1(79.998,197.5) 79.998,196.25 77.498,193.75 77.498,185 79.998,182.5 79.998,162.5 81.248,161.25 81.248,158.75 79.998,157.5 79.998,155 D25.1@84.998,150
SEN: D37.5 D45.19 | length 126.2
  Top w0.254: D45.19@209.998,200 210.354,199.644 214.106,199.644 215.376,198.374 236.624,198.374 237.498,197.5 243.748,197.5 247.498,193.75 256.248,193.75 257.498,195 v1(264.998,195)
  Bottom w0.254: v1(264.998,195) 264.998,202.5 267.498,205 267.498,210 266.248,211.25 266.248,237.5 267.498,238.75 267.498,246.25 268.748,247.5 268.748,258.75 D37.5@269.998,260
SWEN/: D57.19 D64.6 | length 253
  Top w0.254: v1(144.998,40) 146.248,38.75 196.248,38.75 197.498,37.5 213.748,37.5 214.998,38.75 214.998,41.25 217.498,43.75 233.748,43.75 237.498,47.5 D64.6@239.998,47.5
  Bottom w0.254: D57.19@137.498,180 144.999,172.499 144.999,170.001 146.25,168.75 146.25,158.75 148.748,156.252 148.748,141.25 149.998,140 149.998,107.5 148.748,106.25 148.748,88.75 149.998,87.5 149.998,80 148.748,78.75 148.748,73.75 144.998,70 144.998,65 148.748,61.25 148.748,46.25 144.998,42.5 v1(144.998,40)
T/C: D23.8 X7.58 X8.58 X9.58 X10.58 X11.58 X12.58 X13.58 X14.58 | length 308.9
  Top w0.254: X7.58@4.998,241.41 6.261,241.41 7.535,240.135 18.965,240.135 20.235,241.405 26.585,241.405 27.855,240.135 40.555,240.135 41.825,241.405 46.905,241.405 48.175,240.135 62.145,240.135 63.415,241.405 67.225,241.405 68.495,240.135 79.925,240.135 81.195,241.405 87.545,241.405 88.815,240.135 102.785,240.135 104.055,241.405 107.865,241.405 109.135,240.135 123.105,240.135 124.375,241.405 129.455,241.405 130.725,240.135 142.155,240.135 143.43,241.41 X14.58@147.238,241.41 ; v1(161.248,207.5) 162.246,206.502 168.496,206.502 169.998,205 187.498,205 189.998,202.5 201.248,202.5 208.748,195 213.748,195 217.498,191.25 228.748,191.25 229.998,192.5 237.498,192.5 239.998,190 257.498,190 259.998,192.5 v1(262.498,192.5)
  Bottom w0.254: X14.58@147.238,241.41 145,239.172 145,221.248 148.748,217.5 152.498,217.5 161.248,208.75 v1(161.248,207.5) ; v1(262.498,192.5) D23.8@262.498,197.5
TC/: D23.9 D47.36 R25.1 | length 55.6
  Top w0.254: D47.36@249.998,235 250.202,235.204 252.704,235.204 253.75,236.25 258.748,236.25 v1(259.998,235) ; D23.9@262.498,200 R25.1@269.998,200
  Bottom w0.254: v1(259.998,235) 261.248,233.75 261.248,221.25 262.498,220 262.498,215 261.248,213.75 261.248,201.25 D23.9@262.498,200
TIMCLK: D36.3 D36.11 D39.12 D49.9 D49.15 D49.18 | length 235.2
  Top w0.254: D49.9@209.998,167.5 210.112,167.386 220.114,167.386 222.654,164.846 224.844,164.846 D49.15@224.998,165 ; D49.18@224.998,172.5 230,172.5 231.25,171.25 246.25,171.25 251.25,176.25 266.25,176.25 270,180 v1(285,180) ; D36.3@284.998,215 287.498,215 289.998,212.5 D36.11@292.498,212.5
  Bottom w0.254: D49.15@224.998,165 225.325,165 226.568,166.243 226.568,171.196 225.264,172.5 D49.18@224.998,172.5 ; D36.3@284.998,215 283.75,213.752 283.75,203.75 286.25,201.25 286.25,181.25 v1(285,180) 286.25,178.75 286.25,168.75 285,167.5 285,148.75 287.5,146.25 287.5,135 290,132.5 290,102.5 293.75,98.75 293.75,86.25 292.5,85 D39.12@292.498,85
TWOB/: D19.12 D32.9 DR2.2 | length 116
  Top w0.254: D19.12@35,157.5 36.377,158.877 38.623,158.877 40,157.5 v1(50,157.5) ; v1(55,157.5) 58.75,157.5 60.127,158.877 66.123,158.877 68.75,156.25 78.75,156.25 80,157.5 v1(84.998,157.5)
  Bottom w0.254: v1(50,157.5) 51.25,158.75 53.75,158.75 v1(55,157.5) ; v1(84.998,157.5) 86.248,158.75 86.248,183.75 84.998,185 82.498,185 81.248,186.25 81.248,188.75 D32.9@82.498,190 83.748,191.25 83.748,192.5 86.248,195 86.248,211.25 DR2.2@87.498,212.5
VCC: "X5 (P8P9).2" "X5 (P8P9).10" "X5 (P8P9).11" "X5 (P8P9).12" C8.1 C10.1 C11.1 C12.1 C13.1 C14.1 C15.1 C16.1 C17.1 C18.1 C19.1 C20.1 C21.1 C22.1 C23.1 C24.1 C25.1 C26.1 C27.1 C28.1 C29.1 C30.1 C31.1 C32.1 C33.1 C34.1 C35.1 C36.1 C37.1 C38.1 C39.1 C40.1 C41.1 C42.1 C43.1 C44.1 C45.1 C46.1 C47.1 C48.1 C49.1 C50.1 C51.1 C52.1 C53.1 C54.1 C55.1 C56.1 C57.1 C58.1 C59.1 C60.1 C61.1 C62.1 C63.1 C64.1 C65.1 C66.1 C67.1 C68.1 C69.1 C70.1 C71.1 C72.1 C73.1 C74.1 C75.1 C76.1 C77.1 C78.1 C79.1 C80.1 C81.1 C82.1 C83.1 C84.1 C85.1 C86.1 C87.1 C88.1 C89.1 C90.1 C91.1 C92.1 C93.1 C94.1 C95.1 C96.1 C97.1 C98.1 C99.1 C100.1 C101.1 C102.1 C103.1 C104.1 C105.1 C106.1 C107.1 C108.1 C109.1 C110.1 C111.1 C112.1 C113.1 C114.1 C115.1 C116.1 C117.1 C118.1 C119.1 C120.1 C121.1 C122.1 C123.1 C124.1 C125.1 D1.14 D2.14 D3.14 D4.14 D5.14 D6.14 D7.14 D8.16 D9.16 D10.14 D11.14 D12.16 D13.18 D14.14 D15.14 D16.14 D17.14 D18.14 D19.14 D20.16 D21.40 D22.33 D22.40 D23.14 D24.14 D25.20 D26.20 D27.20 D28.20 D29.20 D30.20 D31.14 D32.16 D33.20 D34.14 D35.14 D36.14 D37.14 D38.20 D39.5 D40.28 D41.20 D42.14 D43.20 D44.24 D45.26 D46.20 D47.31 D48.16 D49.11 D49.14 D49.24 D51.20 D52.20 D53.20 D55.16 D56.20 D57.20 D58.20 D59.1 D59.28 D60.1 D60.28 D61.14 D62.14 D63.14 D64.14 D65.14 D66.16 D67.20 D68.16 D69.16 D70.18 D71.18 D72.20 D73.16 D74.16 D75.16 D76.16 D77.20 DR1.1 DR2.1 DR3.1 DR7.1 DR8.1 DR9.1 DS1.8 DS2.8 DS3.8 DS4.8 DS5.8 DS6.8 DS7.8 DS8.8 DS9.8 DS10.8 DS11.8 DS12.8 DS13.8 DS14.8 DS15.8 DS16.8 DS17.8 DS18.8 DS19.8 DS20.8 DS21.8 DS22.8 DS23.8 DS24.8 DS25.8 DS26.8 DS27.8 DS28.8 DS29.8 DS30.8 DS31.8 DS32.8 DS33.8 DS34.8 DS35.8 DS36.8 DS37.8 DS38.8 DS39.8 DS40.8 DS41.8 DS42.8 DS43.8 DS44.8 DS45.8 DS46.8 DS47.8 DS48.8 DS49.8 DS50.8 DS51.8 DS52.8 DS53.8 DS54.8 DS55.8 DS56.8 DS57.8 DS58.8 DS59.8 DS60.8 DS61.8 DS62.8 DS63.8 DS64.8 R1.2 R2.1 R4.1 R7.1 R8.1 R10.2 R12.1 R13.1 R14.1 R15.1 R17.2 R20.2 R23.1 R25.2 R28.1 R29.2 R30.1 R31.2 R32.2 R33.2 R34.2 R35.2 R36.2 R37.2 VT1.E X2(SPEAKER).2 X4.5 X7.34 X7.60 X8.34 X8.60 X9.34 X9.60 X10.34 X10.60 X11.34 X11.60 X12.34 X12.60 X13.34 X13.60 X14.34 X14.60 | length 39.2
  Bottom w2: 189.998,261.86 186.25,261.86 186.25,293.54 189.998,293.54
WE0H/: DR4.8 DS9.3 DS10.3 DS11.3 DS12.3 DS13.3 DS14.3 DS15.3 DS16.3 DS25.3 DS26.3 DS27.3 DS28.3 DS29.3 DS30.3 DS31.3 DS32.3 | length 443.6
  Top w0.254: DS25.3@19.998,57.5 21.248,58.75 43.748,58.75 DS26.3@44.998,57.5 46.248,58.75 68.748,58.75 DS27.3@69.998,57.5 71.248,58.75 93.748,58.75 DS28.3@94.998,57.5 96.248,58.75 118.748,58.75 DS29.3@119.998,57.5 121.248,58.75 143.748,58.75 DS30.3@144.998,57.5 146.248,58.75 168.748,58.75 DS31.3@169.998,57.5 171.248,58.75 193.748,58.75 DS32.3@194.998,57.5
  Bottom w0.254: DS9.3@19.998,30 18.748,31.25 18.748,56.25 DS25.3@19.998,57.5 ; DS10.3@44.998,30 43.748,31.25 43.748,56.25 DS26.3@44.998,57.5 ; DS11.3@69.998,30 68.748,31.25 68.748,56.25 DS27.3@69.998,57.5 ; DS12.3@94.998,30 93.748,31.25 93.748,56.25 DS28.3@94.998,57.5 ; DS13.3@119.998,30 118.748,31.25 118.748,56.25 DS29.3@119.998,57.5 ; DS14.3@144.998,30 143.748,31.25 143.748,56.25 DS30.3@144.998,57.5 ; DS15.3@169.998,30 168.748,31.25 168.748,56.25 DS31.3@169.998,57.5 ; DS32.3@194.998,57.5 192.498,55 192.498,32.5 DS16.3@194.998,30 192.498,27.5 192.498,17.5 193.748,16.25 208.748,16.25 DR4.8@209.998,17.5
WE0L/: DR4.3 DS1.3 DS2.3 DS3.3 DS4.3 DS5.3 DS6.3 DS7.3 DS8.3 DS17.3 DS18.3 DS19.3 DS20.3 DS21.3 DS22.3 DS23.3 DS24.3 | length 450.7
  Top w0.254: DS1.3@7.498,30 8.748,31.25 31.248,31.25 DS2.3@32.498,30 33.748,31.25 56.248,31.25 DS3.3@57.498,30 58.748,31.25 81.248,31.25 DS4.3@82.498,30 83.748,31.25 106.248,31.25 DS5.3@107.498,30 108.748,31.25 131.248,31.25 DS6.3@132.498,30 133.748,31.25 156.248,31.25 DS7.3@157.498,30 158.748,31.25 181.248,31.25 DS8.3@182.498,30 183.748,31.25 203.748,31.25 204.998,30 DR4.3@209.998,30
  Bottom w0.254: DS1.3@7.498,30 4.998,32.5 4.998,42.5 6.248,43.75 6.248,56.25 DS17.3@7.498,57.5 ; DS2.3@32.498,30 31.248,31.25 31.248,56.25 DS18.3@32.498,57.5 ; DS3.3@57.498,30 59.998,27.5 62.498,27.5 62.498,30 61.248,31.25 61.248,43.75 59.998,45 59.998,55 DS19.3@57.498,57.5 ; DS4.3@82.498,30 81.248,31.25 81.248,56.25 DS20.3@82.498,57.5 ; DS5.3@107.498,30 106.248,31.25 106.248,56.25 DS21.3@107.498,57.5 ; DS6.3@132.498,30 131.248,31.25 131.248,56.25 DS22.3@132.498,57.5 ; DS7.3@157.498,30 156.248,31.25 156.248,41.25 154.998,42.5 154.998,55 DS23.3@157.498,57.5 ; DS8.3@182.498,30 181.248,31.25 181.248,56.25 DS24.3@182.498,57.5
WE1H/: DR4.1 DS41.3 DS42.3 DS43.3 DS44.3 DS45.3 DS46.3 DS47.3 DS48.3 DS57.3 DS58.3 DS59.3 DS60.3 DS61.3 DS62.3 DS63.3 DS64.3 | length 510.7
  Top w0.254: DS57.3@19.998,112.5 21.061,112.5 22.192,113.631 40.466,113.631 41.597,112.5 DS58.3@44.998,112.5 46.061,112.5 47.192,113.631 65.466,113.631 66.597,112.5 DS59.3@69.998,112.5 71.061,112.5 72.192,113.631 93.867,113.631 DS60.3@94.998,112.5 96.061,112.5 97.192,113.631 118.867,113.631 DS61.3@119.998,112.5 121.061,112.5 122.192,113.631 143.867,113.631 DS62.3@144.998,112.5 146.061,112.5 147.192,113.631 168.867,113.631 DS63.3@169.998,112.5 171.248,113.75 193.748,113.75 DS64.3@194.998,112.5 196.248,113.75 198.748,113.75 201.248,111.25 203.748,111.25 v1(204.998,112.5)
  Bottom w0.254: DS41.3@19.998,85 18.748,86.25 18.748,111.25 DS57.3@19.998,112.5 ; DS42.3@44.998,85 43.748,86.25 43.748,111.25 DS58.3@44.998,112.5 ; DS43.3@69.998,85 68.748,86.25 68.748,111.25 DS59.3@69.998,112.5 ; DS44.3@94.998,85 93.748,86.25 93.748,111.25 DS60.3@94.998,112.5 ; DS45.3@119.998,85 118.748,86.25 118.748,111.25 DS61.3@119.998,112.5 ; DS46.3@144.998,85 146.248,83.75 148.748,83.75 148.748,86.25 147.498,87.5 147.498,92.5 144.998,95 144.998,97.5 147.498,100 147.498,110 DS62.3@144.998,112.5 ; DS47.3@169.998,85 168.748,86.25 168.748,111.25 DS63.3@169.998,112.5 ; DS48.3@194.998,85 193.748,86.25 193.748,111.25 DS64.3@194.998,112.5 ; v1(204.998,112.5) 204.998,98.75 203.748,97.5 203.748,66.25 204.998,65 204.998,42.5 207.498,40 207.498,37.5 DR4.1@209.998,35
WE1L/: DR4.2 DS33.3 DS34.3 DS35.3 DS36.3 DS37.3 DS38.3 DS39.3 DS40.3 DS49.3 DS50.3 DS51.3 DS52.3 DS53.3 DS54.3 DS55.3 DS56.3 | length 533.8
  Top w0.254: DS33.3@7.498,85 8.748,86.25 31.248,86.25 DS34.3@32.498,85 33.748,86.25 56.248,86.25 DS35.3@57.498,85 58.748,86.25 81.248,86.25 DS36.3@82.498,85 83.748,86.25 106.248,86.25 DS37.3@107.498,85 108.748,86.25 131.248,86.25 DS38.3@132.498,85 133.748,86.25 156.248,86.25 DS39.3@157.498,85 158.748,86.25 181.248,86.25 DS40.3@182.498,85
  Bottom w0.254: DS33.3@7.498,85 6.248,86.25 6.248,111.25 DS49.3@7.498,112.5 ; DS34.3@32.498,85 31.248,86.25 31.248,111.25 DS50.3@32.498,112.5 ; DS35.3@57.498,85 54.998,87.5 54.998,90 57.498,92.5 57.498,97.5 59.998,100 59.998,110 DS51.3@57.498,112.5 ; DS36.3@82.498,85 81.248,86.25 81.248,111.25 DS52.3@82.498,112.5 ; DS37.3@107.498,85 106.248,86.25 106.248,111.25 DS53.3@107.498,112.5 ; DS38.3@132.498,85 131.248,86.25 131.248,111.25 DS54.3@132.498,112.5 ; DS39.3@157.498,85 156.248,86.25 156.248,95 154.998,96.25 154.998,110 DS55.3@157.498,112.5 ; DS56.3@182.498,112.5 181.248,111.25 181.248,86.25 DS40.3@182.498,85 181.248,83.75 181.248,63.75 179.998,62.5 179.998,17.5 182.498,15 209.998,15 212.498,17.5 212.498,30 DR4.2@209.998,32.5
WEH: D65.4 D72.15 D72.17 | length 13.5
  Top w0.254: D72.17@232.498,27.5 D65.4@239.998,27.5
  Bottom w0.254: D72.15@232.498,22.502 231.25,23.75 231.25,26.25 D72.17@232.498,27.5 D72.17@232.498,27.5
WEL: D65.10 D72.11 D72.13 | length 28.1
  Top w0.254: D72.13@232.498,17.5 234.998,17.5 234.998,22.5 238.748,26.25 246.248,26.25 D65.10@247.498,25
  Bottom w0.254: D72.11@232.498,12.5 231.25,13.748 231.25,16.25 D72.13@232.498,17.5 D72.13@232.498,17.5
pads on no net: D1.6 D2.3 D2.11 D4.4 D4.5 D4.6 D6.6 D6.8 D7.1 D7.2 D7.3 D7.4 D7.12 D7.13 D8.15 D10.5 D10.8 D11.3 D11.4 D11.8 D11.9 D11.10 D11.11 D11.12 D11.13 D13.14 D13.15 D16.10 D16.11 D16.12 D16.13 D18.4 D18.5 D18.6 D18.8 D18.9 D18.10 D19.6 D19.9 D20.3 D20.7 D20.10 D20.14 D21.32 D22.17 D22.18 D22.29 D22.30 D23.10 D23.11 D24.1 D24.2 D24.3 D30.9 D30.11 D30.17 D34.1 D34.2 D34.3 D34.8 D34.9 D34.10 D35.6 D35.8 D36.6 D36.8 D38.8 D39.2 D39.3 D39.4 D39.9 D39.11 D39.13 D40.12 D40.13 D40.15 D40.16 D44.2 D44.4 D44.6 D44.10 D44.13 D44.14 D44.15 D45.10 D45.11 D45.13 D45.14 D45.15 D45.16 D45.17 D45.20 D45.22 D45.23 D47.5 D47.9 D50.8 D50.9 D51.4 D51.6 D51.14 D51.16 D54.1 D54.3 D54.16 D54.21 D54.23 D63.8 D63.9 D63.10 D66.15 D76.7 D76.9 D76.10 D76.11 DR1.4 DR1.9 DR1.10 DR2.8 DR2.9 DR3.10 DR6.5 DR6.8 DR6.9 DR6.12 Q1. Q2. X4. X4.3 X7.39 X8.39 X9.39 X10.39 X11.39 X12.39 X13.39 X14.39

## Polygon pours and split planes (outlines as drawn)
GND on Ground (split plane): 298.24,168.242 292.498,162.5 292.498,156.25 292.498,151.25 298.24,145.508 298.24,0.51 0.51,0.51 0.51,331.99 298.24,331.99
+12V on Power (split plane): 192.369,287.629 169.412,287.629 169.362,287.62 169.32,287.592 169.292,287.55 169.282,287.5 169.282,265.129 160.127,265.129 160.127,285.723 160.118,285.773 160.09,285.815 160.048,285.843 159.998,285.852 3.603,285.852 3.603,290.623 3.653,290.674 176.498,290.674 176.548,290.683 176.59,290.711 176.618,290.753 176.628,290.803 176.628,291.258 192.369,291.258
-5V on Power (split plane): 177.369,323.696 177.369,306.466 177.32,306.428 177.28,306.376 177.254,306.315 177.246,306.25 177.254,306.185 177.28,306.124 177.32,306.072 177.372,306.032 177.433,306.006 177.498,305.998 177.559,306.006 179.906,303.658 181.156,302.408 181.198,302.38 181.248,302.371 198.444,302.371 201.115,299.7 201.115,264.13 187.627,264.13 187.627,267.871 195,267.871 195.05,267.88 195.092,267.908 195.12,267.95 195.129,268 195.129,282.5 195.129,283.5 195.129,297.5 195.12,297.55 195.092,297.592 193.092,299.592 193.05,299.62 193,299.63 179.302,299.63 173.877,305.054 173.877,322.5 173.868,322.55 173.84,322.592 171.34,325.092 171.298,325.12 171.248,325.129 164.998,325.129 164.948,325.12 164.906,325.092 162.406,322.592 162.378,322.55 162.369,322.5 162.369,295.987 3.603,295.987 3.603,300.834 157.498,300.834 157.548,300.843 157.59,300.871 157.618,300.913 157.627,300.963 157.627,323.696 161.302,327.371 173.694,327.371
-12V on Power (split plane): 173.619,322.446 173.619,305 173.628,304.95 173.656,304.908 179.156,299.408 179.198,299.38 179.248,299.371 192.946,299.371 194.871,297.446 194.871,283.629 187.627,283.629 187.627,287.371 192.498,287.371 192.548,287.38 192.59,287.408 192.618,287.45 192.627,287.5 192.627,291.387 192.618,291.437 192.59,291.479 192.548,291.507 192.498,291.517 176.498,291.517 176.449,291.507 176.407,291.479 176.379,291.437 176.369,291.387 176.369,290.932 3.603,290.932 3.603,295.681 3.616,295.69 3.654,295.728 162.498,295.728 162.548,295.738 162.59,295.766 162.618,295.808 162.627,295.858 162.627,322.446 165.052,324.871 171.194,324.871
VCC on Power (split plane): 298.24,168.242 292.498,162.5 292.498,156.25 292.498,151.25 298.24,145.508 298.24,0.51 0.51,0.51 0.51,331.99 298.24,331.99

## Keep-outs
Keep-Out Layer:
  circle w3.25: c295,156.25 r1.7
  circle w3.25: c293.75,327.5 r1.7
  circle w3.25: c16.25,322.5 r1.7
  circle w3.25: c16.25,167.5 r1.7
  circle w0.7: c141.25,167.5 r2
  circle w3.25: c41.25,7.5 r1.7
  circle w3.25: c141.25,10 r1.7
  region: 292.498,162.5 292.498,156.25 292.498,151.25 298.748,145 298.748,168.75

## Other copper
Ground (plane layer: these items are gaps in the copper):
  region: 292.498,162.5 292.498,156.25 292.498,151.25 298.748,145 298.748,168.75
Power (plane layer: these items are gaps in the copper):
  region: 292.498,162.5 292.498,156.25 292.498,151.25 298.748,145 298.748,168.75
  lines w0.254: 3.498,290.701 3.6,290.803 176.498,290.803 176.498,291.387 192.498,291.387 192.498,287.5 169.412,287.5 169.412,265 159.998,265 159.998,285.723 3.473,285.723 3.473,300.963 157.498,300.963 157.498,323.75 161.248,327.5 173.748,327.5 177.498,323.75 177.498,306.25 179.998,303.75 181.248,302.5 198.498,302.5 201.244,299.754 201.244,264 187.498,264 187.498,268 195,268 195,282.5 195,283.5 ; 3.524,295.781 3.6,295.858 162.498,295.858 162.498,322.5 164.998,325 171.248,325 173.748,322.5 173.748,305 179.248,299.5 193,299.5 195,297.5 195,283.5 ; 187.498,287.5 187.498,283.5 195,283.5
  lines w0.5: 177.498,306.25 177.498,306.25

## Silkscreen, mask and mechanical layers (free items; w line width, h text height)
Top Overlay:
  drawing of 2313 lines, arcs and shapes, not listed
  text "1" at 208.198,99.3 h1.4
  text "1" at 223.198,71.6 h1.4
  text "1" at 223.198,54.5 h1.4
  text "1" at 214.898,39.2 h1.4
  text "CONFIG FOR MEMORY BANKS: P1, P2, P3, P4" at 157.998,7.7 h1.52
  text "rev. 1.0" at 92.5,6.332 h1.52
  text "128 Kb in bank" at 157.498,4.6 h1.52
  text "1-2" at 181.9,4.6 h1.52
  text "1" at 120,2.5 h1.4
  text "512 Kb in bank" at 157.498,2.1 h1.52
  text "2-3" at 181.7,2.1 h1.52
  text "- / for empty bank" at 190.6,1.8 h1.52
Board:
  the board outline again, w0.3

## Text inside footprints (layer, text, board x,y; h text height)
S1: Top Overlay "3" at 9.75,121.75 h1.27; Top Overlay "4" at 17,121.75 h1.27; Top Overlay "2" at 17,124.5 h1.27; Top Overlay "1" at 10,124.5 h1.27
S6: Top Overlay "8" at 145.498,197 h1.2; Top Overlay "7" at 141.5,197 h1.2; Top Overlay "6" at 145.498,199.5 h1.2; Top Overlay "5" at 141.25,200.25 h1.2; Top Overlay "4" at 145.498,202 h1.2; Top Overlay "3" at 141.25,202.25 h1.2; Top Overlay "2" at 145.498,204.5 h1.2; Top Overlay "1" at 141.498,204.5 h1.2
VT1: Top Overlay "B" at 264.498,190.5 h1.52 r270; Top Overlay "C" at 266.498,188 h1.52 r270; Top Overlay "E" at 264.498,185.5 h1.52 r270
VT2: Top Overlay "B" at 276.998,190.5 h1.52 r270; Top Overlay "C" at 278.998,188 h1.52 r270; Top Overlay "E" at 276.998,185.5 h1.52 r270
"X5 (P8P9)": Top Overlay "+5V" at 174.998,253 h1.52; Top Overlay "+5V" at 174.998,257 h1.52; Top Overlay "+5V" at 174.998,261 h1.52; Top Overlay "-5V" at 174.998,265 h1.52; Top Overlay "GND" at 174.998,269 h1.52; Top Overlay "GND" at 174.998,273 h1.52; Top Overlay "GND" at 174.998,277 h1.52; Top Overlay "GND" at 174.998,281 h1.52; Top Overlay "-12V" at 174.998,285 h1.52; Top Overlay "+12V" at 174.998,289 h1.52; Top Overlay "+5V" at 174.998,293 h1.52; Top Overlay "PGOOD" at 174.998,297 h1.52
X7: MechAssembly "ISA-8 SLOT" at 6.998,274.45 h1.52 r270
X8: MechAssembly "ISA-8 SLOT" at 27.318,274.45 h1.52 r270
X9: MechAssembly "ISA-8 SLOT" at 47.638,274.45 h1.52 r270
X10: MechAssembly "ISA-8 SLOT" at 67.958,274.45 h1.52 r270
X11: MechAssembly "ISA-8 SLOT" at 88.278,274.45 h1.52 r270
X12: MechAssembly "ISA-8 SLOT" at 108.598,274.45 h1.52 r270
X13: MechAssembly "ISA-8 SLOT" at 128.918,274.45 h1.52 r270
X14: MechAssembly "ISA-8 SLOT" at 149.238,274.45 h1.52 r270